# Allegro board CHIP_ALPHA_V_021.brd (continued)
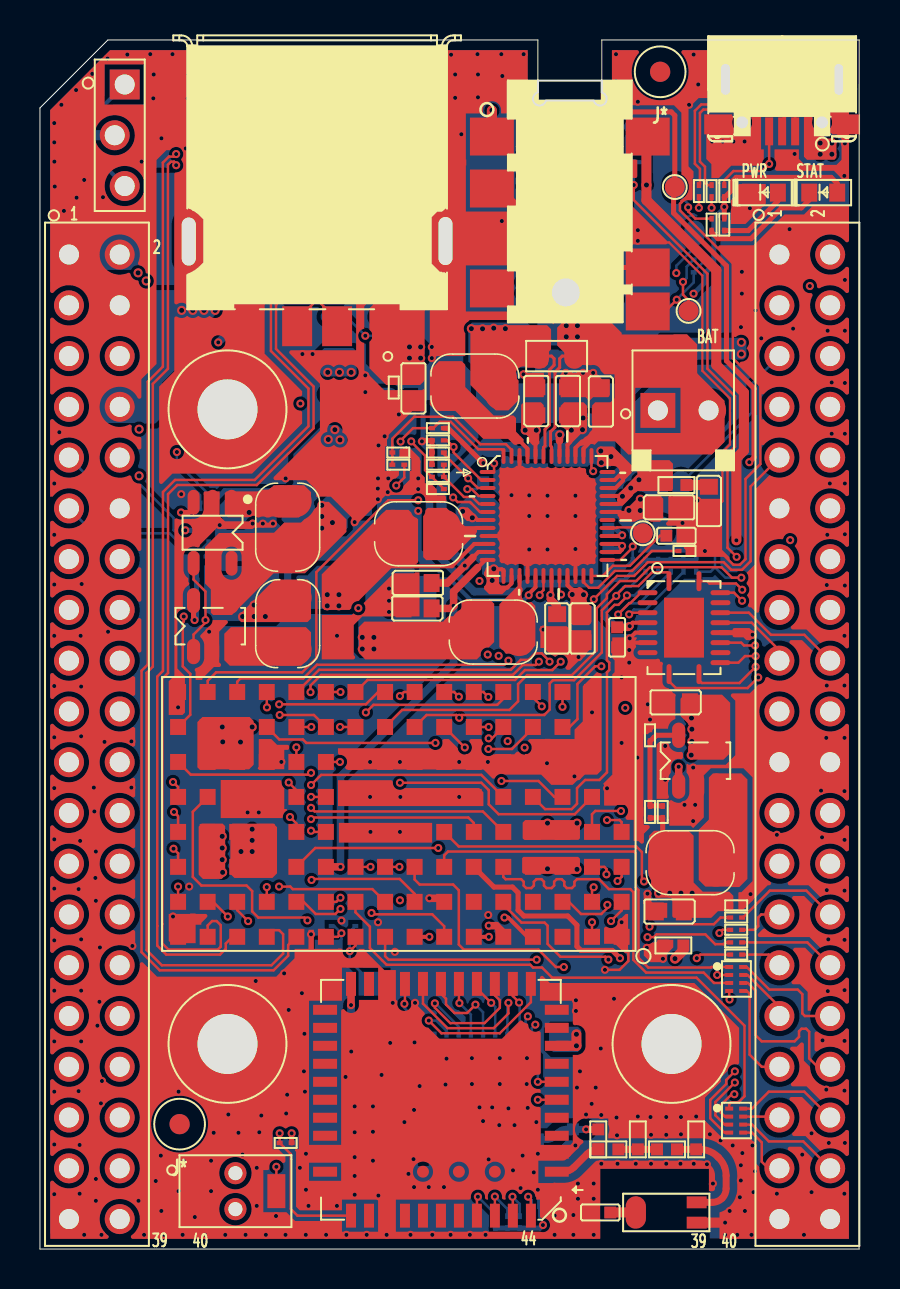
[diagram p0: board, top side]
## Copper pours and planes (outline as drawn; the poured copper is in the pictures) (continued)
GND on TOP (solid shape): 11.87,25.23 12.38,25.23 12.45,25.2 12.48,25.12 12.48,25.08 12.45,25.01 12.38,24.97 12.23,24.97 12.23,24 10.95,24 10.91,24.03 10.92,24.09 10.95,24.13 10.95,25.52 11.58,25.52
GND on TOP (solid shape): 17.56,23.46 17.64,23.42 17.66,23.35 17.86,23.01 18.25,23.06 21.98,23.06 22.2,22.85 22.2,22.16 14.92,22.16 14.92,23.22 14.91,23.22 14.91,23.46
GND on TOP (solid shape): 11.99,23.47 12.07,23.44 12.09,23.36 12.13,23.2 12.23,23.06 12.23,22.02 12.36,22.02 12.36,21.94 12.33,21.92 12.21,21.79 12.16,21.62 12.14,21.58 12.11,21.56 9.05,21.56 9.05,23.47
GND on TOP (solid shape): 31.7,15.09 31.46,14.85 31.35,14.67 31.33,14.47 31.31,14.39 31.23,14.35 30.56,14.35 30.22,14.68 30.22,15.16 30.26,15.23 30.35,15.26 30.51,15.26 30.65,15.34 30.84,15.34 30.98,15.48 31.7,15.48
GND on TOP (solid shape): 19,31.65 16.13,31.65 15.71,31.22 15.71,29.71 15.74,29.68 15.77,29.57 15.67,29.5 14.1,29.5 14.1,31.72 15.6,31.72 15.69,31.81 16.17,31.8 16.22,32.28 16.19,32.31 17.69,33.81 18.73,33.81 18.78,33.86 19,33.86
GND on TOP (solid shape): 29.44,14.9 29.38,14.8 29.27,14.82 29.23,14.85 29.17,14.88 28.78,15.27 28.24,15.27 28.24,16.02 28.29,16.11 28.39,16.11 28.74,16.09 28.94,16.37 28.94,16.39 29.32,16.77 29.44,16.77
GND on TOP (solid shape): 25.23,31.16 26.37,31.16 26.57,30.96 27.6,30.96 27.6,30.07 26.52,28.98 26.41,28.98 26.31,29.04 26.33,29.15 26.31,29.64 25.82,29.65 25.79,29.63 25.75,29.65 25.67,29.71 25.57,29.74 25.55,29.74 25.22,30.07 25.05,30.07 25.05,31.17 25.23,31.17
GND on TOP (solid shape): 34.7,56.6 34.7,56.59 34.65,56.37 34.7,56.14 35.36,55.91 35.62,56.56 35.63,56.65 35.71,56.7 36.09,56.7 36.09,55.02 36.23,55.02 36.23,54.53 36.17,54.44 36.14,54.33 36.14,54.31 36.03,54.2 34.6,54.2 33.99,53.59 33.61,53.59 33.61,54.28 33.35,54.54 33.35,56.7 34.7,56.7
GND on TOP (solid shape): 31.44,25.33 31.66,24.97 32.07,24.87 32.15,24.85 32.19,24.77 32.19,24.61 32.15,24.53 31.73,24.44 31.58,24.13 31.58,23.83 31.47,23.66 31.44,23.47 31.44,22.86 31.45,22.76 31.47,22.66 31.46,22.57 31.38,22.52 30.87,22.52 30.87,25.25 30.99,25.37 31.44,25.37
GND on TOP (solid shape): 9.31,31.47 9.4,31.41 9.38,31.3 8.97,30.89 8.97,29.36 9.03,29.29 9.06,29.18 8.96,29.12 8.71,29.12 8.13,28.54 8.13,28.47 7.79,28.47 7.79,28.89 7.78,28.9 7.75,29 7.82,29.07 8.11,29.26 8.22,29.59 8.22,30.2 8.18,30.41 8.06,30.59 8.02,30.66 8.05,30.73 8.55,31.23 8.56,31.25 8.61,31.33 8.64,31.43 8.64,31.47
GND on TOP (solid shape): 38.68,7.07 38.66,7.04 38.99,5.75 40.31,5.92 40.43,5.95 40.49,5.86 40.49,4.76 40.43,4.67 40.31,4.69 39.74,5.03 39.09,4.93 39.06,4.91 38.32,5.65 37.75,5.65 37.65,5.72 37.68,5.83 38.01,6.65 37.56,7.42 37.52,7.53 37.62,7.61 38.15,7.61
GND on TOP (solid shape): 38.06,10.31 38.17,10.33 38.24,10.24 38.24,9.43 38.55,9.12 38.55,9.1 39.21,8.17 40.31,8.46 40.43,8.49 40.49,8.4 40.49,7.3 40.43,7.21 40.31,7.23 39.74,7.57 39.09,7.47 39.06,7.45 38.37,8.14 37.69,8.14 37.59,8.21 37.63,8.32 38.02,9.14 37.59,9.94 37.55,10.05 37.65,10.12 37.88,10.12
GND on TOP (solid shape): 38.68,14.69 38.66,14.66 38.99,13.37 40.31,13.54 40.43,13.57 40.49,13.48 40.49,12.38 40.43,12.29 40.31,12.31 39.35,12.64 38.59,11.96 38.58,11.93 38.43,11.93 38.43,12.86 38.04,13.25 37.72,13.25 37.62,13.31 37.65,13.43 38.02,14.15 37.73,14.9 37.71,15.01 37.8,15.07 38.3,15.07
GND on TOP (solid shape): 38.68,17.23 38.66,17.2 38.99,15.91 40.31,16.08 40.43,16.11 40.49,16.02 40.49,14.92 40.43,14.83 40.31,14.85 39.74,15.19 39.09,15.09 39.06,15.07 38.52,15.61 36.03,15.61 35.93,15.67 35.96,15.78 36.18,16.01 36.25,16.04 36.32,16.01 37.75,16.06 37.68,17.49 37.65,17.6 37.75,17.67 38.25,17.67
GND on TOP (solid shape): outline of 171 points within 6.44,26.72 11.72,37.91
GND on TOP (solid shape): 27.89,28.88 27.97,28.83 28.07,28.8 28.1,28.79 28.11,28.75 28.11,23.96 27.89,23.74 27.18,23.74 26.67,23.22 25.6,23.22 25.08,23.74 23.26,23.74 23.25,23.74 22.99,23.76 22.79,23.59 22.71,23.54 22.62,23.57 22.2,23.99 15.38,23.99 15.29,24.05 15.34,24.53 15.02,24.73 14.95,24.76 14.92,24.83 14.92,25.06 19.56,25.06 19.97,25.02 20.14,25.4 20.17,25.48 20.24,25.52 20.46,25.52 20.91,25.07 20.91,25.06 21.42,24.77 21.52,25.34 21.5,25.46 21.59,25.52 22.1,25.52 22.11,25.48 22.14,25.4 22.18,25.33 22.2,25.29 22.18,25.26 22.19,24.77 22.68,24.75 23.74,24.75 23.84,24.86 23.92,24.89 23.99,24.85 24.53,24.85 24.46,25.39 24.43,25.42 24.45,25.46 24.5,25.52 25.28,25.52 25.28,25.53 25.55,25.53 25.55,25.52 26.76,25.52 26.76,25.99 27.17,26.4 27.17,28.16
GND on TOP (solid shape): outline of 202 points within 28.2,20.28 31.82,30.61
GND on TOP (solid shape): outline of 125 points within 22.89,34.17 27.88,39.19
GND on TOP (solid shape): outline of 640 points within 31.48,16.9 40.49,30.47
GND on TOP (solid shape): outline of 1186 points within 33.94,30.06 40.5,52.2
GND on TOP (solid shape): outline of 5863 points within 0.51,0.51 40.5,59.99
GND on BOTTOM (solid shape): 0.51,38.88 0.58,38.97 0.69,38.94 1.26,38.61 1.92,38.71 1.95,38.72 2.71,37.96 4.93,37.96 6.42,36.47 6.42,36.08 2.81,36.08 2.33,36.56 2.34,36.6 2.02,37.89 0.69,37.71 0.58,37.69 0.51,37.78
GND on BOTTOM (solid shape): outline of 13419 points within 0.51,0.51 40.5,59.99
GND on GND (solid shape): outline of 16346 points within 0.52,0.51 40.5,59.99
GND on IN1 (solid shape): 18.68,32.02 18.68,30.67 18.62,30.57 18.5,30.59 17.32,31.78 17.32,32.9 16.72,33.51 16.69,33.62 16.79,33.68 17.02,33.68
GND on IN1 (solid shape): 5.69,38.4 5.8,38.42 5.86,38.32 5.86,36.13 5.8,36.03 5.69,36.05 5.46,36.28 3.07,36.28 2.84,36.51 2.84,37.55 2.77,37.62 2.74,37.73 2.84,37.79 3.85,37.79 3.87,37.8 3.99,37.81 4.11,37.8 4.14,37.79 5.09,37.79
GND on IN1 (solid shape): 40.43,38.97 40.49,38.88 40.49,37.78 40.43,37.69 40.31,37.71 38.97,37.88 38.68,36.56 38.5,36.38 36.29,36.38 36.29,37.34 36.75,37.79 38.4,37.79 39.24,38.64 39.27,38.63 39.84,38.64 40.31,38.94
GND on IN1 (solid shape): 38.14,47.42 38.45,47.42 38.53,47.39 38.55,47.31 38.57,47.03 38.66,46.76 37.95,46.05 37.95,45.4 37.89,45.3 37.77,45.33 36.94,45.68 36.16,45.22 36.05,45.17 35.98,45.27 35.98,45.8 36.52,46.35 37.61,46.41 37.99,47.43 37.99,47.46 38.04,47.52
GND on IN1 (solid shape): 40.43,44.05 40.49,43.96 40.49,42.86 40.43,42.77 40.31,42.79 38.99,42.97 38.66,41.68 38.24,41.26 37.8,41.26 37.71,41.32 37.73,41.44 38.01,42.04 37.86,42.68 37.85,42.78 37.94,42.84 38.27,42.84 39.18,43.75 39.21,43.73 39.81,43.71 40.31,44.02
GND on IN1 (solid shape): 40.43,41.51 40.49,41.42 40.49,40.32 40.43,40.23 40.31,40.25 39.07,40.48 38.59,39.32 38.6,39.29 38.02,38.71 37.79,38.71 37.7,38.77 37.72,38.88 38.01,39.72 37.52,40.46 37.48,40.58 37.58,40.65 38.5,40.65 39.09,41.25 39.74,41.15 40.31,41.48
GND on IN1 (solid shape): 36.01,18.63 36.09,18.73 36.2,18.69 36.91,18.28 37.7,18.54 37.81,18.56 37.87,18.47 37.87,17.55 37.81,17.45 37.7,17.47 36.32,17.46 36.25,16.08 36.27,15.97 36.18,15.91 34.35,15.91 34.34,15.95 34.22,16.1 34.03,16.17 33.95,16.23 33.97,16.34 36.01,18.38
GND on IN1 (solid shape): outline of 338 points within 34.38,28.54 37.87,35.85
GND on IN1 (solid shape): outline of 5357 points within 0.51,0.51 40.49,36.44
GND on IN1 (solid shape): outline of 5275 points within 0.51,11.3 40.5,59.99
GND on IN2 (solid shape): 8.01,31.22 8.05,31.21 8.21,31.12 8.4,31.13 8.43,31.14 10.05,29.52 10.07,29.41 9.98,29.35 9.27,29.35 7.68,30.94 7.65,31.05 7.74,31.11 7.87,31.14 7.98,31.21
GND on IN2 (solid shape): 3.1,30.19 3.19,30.13 3.18,30.03 2.99,29.36 3.28,28.74 3.3,28.62 3.2,28.56 2.74,28.56 1.95,27.77 1.92,27.79 1.26,27.88 0.69,27.55 0.58,27.53 0.51,27.62 0.51,28.72 0.58,28.81 0.69,28.78 2.02,28.61 2.34,29.9 2.33,29.93 2.58,30.19
GND on IN2 (solid shape): 0.51,21.1 0.58,21.19 0.69,21.16 1.26,20.83 1.92,20.93 1.95,20.94 2.74,20.15 3.2,20.15 3.3,20.09 3.28,19.98 2.99,19.3 3.24,18.61 3.26,18.5 3.17,18.44 2.67,18.44 2.33,18.78 2.34,18.82 2.02,20.11 0.69,19.93 0.58,19.91 0.51,20
GND on IN2 (solid shape): 3.11,9.89 3.21,9.84 3.19,9.73 2.99,9.02 3.32,8.37 3.35,8.26 3.26,8.19 2.62,8.19 1.9,7.48 1.87,7.49 1.24,7.56 0.69,7.23 0.58,7.21 0.51,7.3 0.51,8.4 0.58,8.49 0.69,8.46 2.02,8.29 2.34,9.58 2.33,9.61 2.6,9.89
GND on IN2 (solid shape): 3.32,7.56 3.41,7.49 3.38,7.37 2.99,6.56 3.41,5.76 3.45,5.65 3.35,5.58 2.61,5.58 1.95,4.91 1.28,5.03 0.69,4.69 0.58,4.67 0.51,4.76 0.51,5.86 0.58,5.95 0.69,5.92 1.99,5.73 2.37,7 2.35,7.03 2.88,7.56
GND on IN2 (solid shape): 3.23,12.56 3.32,12.5 3.3,12.38 3.04,11.35 3.86,10.66 3.94,10.59 3.92,10.49 3.86,10.43 2.38,10.43 1.95,9.99 1.92,10.01 1.26,10.1 0.69,9.77 0.58,9.75 0.51,9.84 0.51,10.94 0.58,11.03 0.69,11 2.02,10.83 2.34,12.12 2.33,12.15 2.73,12.56
GND on IN2 (solid shape): 0.51,18.56 0.58,18.65 0.69,18.62 1.26,18.29 1.92,18.39 1.95,18.4 2.45,17.91 5.34,17.91 5.44,17.84 5.41,17.73 4.98,17.29 4.89,17.26 4.82,17.31 3.38,17.53 3.23,16.08 3.25,15.97 3.16,15.91 2.66,15.91 2.33,16.24 2.34,16.28 2.02,17.57 0.69,17.39 0.58,17.37 0.51,17.46
GND on IN2 (solid shape): 3.27,32.92 3.37,32.85 3.34,32.74 3.44,31.14 4.95,31.68 4.96,31.71 5.07,31.71 5.89,30.9 5.91,30.78 5.82,30.72 2.36,30.72 1.95,30.31 1.92,30.33 1.26,30.42 0.69,30.09 0.58,30.07 0.51,30.16 0.51,31.26 0.58,31.35 0.69,31.32 2.02,31.15 2.34,32.44 2.33,32.47 2.77,32.92
GND on IN2 (solid shape): 27.86,23.87 27.92,23.96 28.03,23.94 34.64,17.33 34.66,17.22 34.57,17.16 34.42,17.16 34.11,16.84 34.11,16.43 34.12,16.37 34.14,16.31 34.12,16.21 34.03,16.17 33.83,16.12 33.69,15.96 33.61,15.91 33.52,15.94 33.35,16.11 33.35,18.09 32.78,18.66 30.47,18.66 30.35,18.73 30.21,18.74 30.13,18.77 30.1,18.85 30.1,21.53 29.44,22.18 29.32,22.18 28.88,22.21 28.75,21.8 28.75,21.79 28.75,21.73 28.62,21.73 28.61,21.74 28.04,21.56 28.43,21.11 28.51,21.09 28.55,21.01 28.55,19.2 28.51,19.12 28.42,19.1 28.2,19.07 28.04,18.9 27.96,18.85 27.87,18.88 27.86,18.9
GND on IN2 (solid shape): 28.81,36.11 28.81,35.84 28.8,35.84 28.79,35.65 28.87,35.48 28.88,35.45 28.87,35.41 28.88,34.93 29.36,34.9 29.39,34.91 29.43,34.9 29.55,34.82 29.69,34.8 29.77,34.77 29.8,34.7 29.8,33.5 29.36,33.06 29.34,33.06 29.23,33.02 29.14,32.96 29.1,32.95 29.07,32.96 28.68,33 28.49,32.66 28.46,32.58 28.39,32.55 28.08,32.55 28.07,32.59 27.9,32.82 27.62,32.85 27.59,32.86 27.56,32.88 27.3,33.11 26.96,33.03 26.93,33.02 26.9,33.03 26.63,33.13 26.38,33.02 26.34,33.01 26.31,33.02 26.15,33.1 25.98,33.09 25.95,33.08 22.84,36.18 22.84,38.52 26.4,38.52
GND on IN2 (solid shape): 7.9,19.46 8.01,19.48 8.07,19.39 8.07,17.87 4.97,14.77 4.89,14.74 4.81,14.78 3.44,15.04 3.13,13.68 3.13,13.58 3.05,13.52 2.5,13.52 2.33,13.7 2.34,13.74 2.02,15.03 0.69,14.85 0.58,14.83 0.51,14.92 0.51,16.02 0.58,16.11 0.69,16.08 1.26,15.75 1.92,15.85 1.95,15.86 2.43,15.38 4.53,15.38 6.94,17.78 6.95,17.78 7.26,18.07 7.08,18.45 7.02,18.53 7.05,18.61
GND on IN2 (solid shape): outline of 153 points within 22.22,14.17 24.28,25.1
GND on IN2 (solid shape): 40.43,31.35 40.49,31.26 40.49,30.16 40.43,30.07 40.31,30.09 38.55,29.44 40.31,28.78 40.43,28.81 40.49,28.72 40.49,27.62 40.43,27.53 40.31,27.55 39.74,27.89 39.09,27.79 39.06,27.77 38.49,28.33 37.48,28.33 37.38,28.41 37.44,28.53 38.01,29.37 37.56,30.28 37.52,30.39 37.62,30.47 38.42,30.47 39.06,31.1 39.09,31.09 39.74,30.99 40.31,31.32
GND on IN2 (solid shape): outline of 212 points within 4.68,22.44 11.1,27.77
GND on IN2 (solid shape): 29.87,16.61 31.02,16.61 32.69,14.93 32.71,14.89 32.69,14.85 32.64,14.82 32.54,14.82 32.32,14.6 32.22,14.57 32.15,14.64 31.52,14.8 31.67,14.16 31.74,14.09 31.71,14 31.33,13.61 27.95,13.61 27.85,13.68 27.87,13.79 28.01,13.93 28.01,14.17 28.08,14.27 28.19,14.24 28.45,14.12 28.71,14.24 28.77,14.27 28.84,14.25 29.39,14.59 28.77,14.8 28.71,14.76 28.41,14.83 28.19,14.72 28.08,14.7 28.01,14.79 28.01,14.95 28.13,15.07 30.19,15.07 30.37,15.25 30.4,15.25 30.72,15.42 30.72,15.78 30.71,15.82 30.73,15.85 30.82,16.32 30.36,16.45 30.35,16.45 30.03,16.45 29.74,16.16 29.02,16.16 28.93,16.2 28.92,16.3 28.88,16.6 28.62,16.76 28.61,16.77 28.51,16.86 28.56,16.9 28.56,16.9 28.69,17.01 28.75,17.17 28.76,17.21 29.27,17.21
GND on IN2 (solid shape): 13.11,22.15 13.18,22.12 13.21,22.05 13.23,21.95 13.28,21.86 13.29,21.85 13.29,21.78 13.25,21.78 13.04,21.58 12.94,21.55 12.87,21.64 12.38,21.94 12.25,21.38 12.25,21.14 11.13,20.02 11.04,20 10.97,20.05 10.94,20.1 10.91,20.13 10.9,20.17 11,20.45 10.9,20.73 10.91,20.76 10.62,21.39 10.33,20.76 10.34,20.73 10.33,20.69 10.25,20.55 10.25,20.38 10.22,20.29 10.13,20.26 9.69,19.79 10.31,19.6 10.34,19.61 10.38,19.6 10.41,19.57 10.46,19.54 10.51,19.47 10.49,19.38 9.03,17.92 8.92,17.9 8.86,18 8.86,18.4 8.9,18.48 9,18.49 9.46,18.63 9.42,19.11 9.4,19.17 9.5,19.49 9.4,19.74 9.39,19.77 9.5,20.07 9.39,20.36 9.4,20.39 9.5,20.68 9.36,20.95 9.33,21.02 9.36,21.1 10.41,22.15
GND on IN2 (solid shape): outline of 292 points within 0.51,0.51 13.95,18.19
GND on IN2 (solid shape): outline of 84 points within 20.95,27.03 30.86,36.54
GND on IN2 (solid shape): 12.39,26.74 12.5,26.76 12.57,26.67 12.57,25.34 12.56,25.32 12.49,25.01 12.7,24.77 12.76,24.7 12.73,24.61 12.32,24.19 10.26,24.19 7.31,21.24 7.31,20.34 7.15,20.19 7.07,20.16 6.99,20.21 6.88,20.33 6.72,20.38 6.71,20.39 6.4,20.69 2.96,20.69 2.33,21.32 2.34,21.36 2.02,22.65 0.69,22.47 0.58,22.45 0.51,22.54 0.51,23.64 0.58,23.73 0.69,23.7 2.02,23.53 2.34,24.82 2.33,24.85 2.99,25.52 2.99,26.26 3.06,26.35 3.17,26.32 3.76,25.92 4.46,26.01 4.49,26.02 5.71,24.8 5.74,24.69 5.64,24.63 4.96,24.63 4.95,24.66 2.99,24.36 4.95,24.06 4.96,24.09 5.56,24.09 6.3,23.35 6.31,23.33 6.43,23.1 6.68,23.01 6.75,22.98 6.79,22.91 6.79,22.32 6.69,22.23 6.67,22.22 6.44,22.1 6.35,21.85 6.33,21.77 6.25,21.74 5.1,21.74 5.03,21.77 5,21.84 3.04,22.13 4.79,21.21 6.98,21.21 11.63,25.85 11.63,26.35 11.69,26.44 11.79,26.43 12.14,26.4 12.35,26.68 12.35,26.7
GND on IN2 (solid shape): outline of 1175 points within 0.51,29.87 22.95,41.52
GND on IN2 (solid shape): outline of 2444 points within 4.55,0.51 40.49,27.8
GND on IN2 (solid shape): outline of 3689 points within 0.51,19.9 40.5,59.99
GND on VCC (solid shape): outline of 8342 points within 0.51,0.51 40.5,59.99
VBAT-EXT on TOP (solid shape): 25.58,46.02 25.58,45.01 25.43,44.86 25.43,44.27 25.25,44.09 24.42,44.09 23.9,44.02 23.92,43.49 23.96,43.46 23.96,42.47 23.83,42.35 23.83,42.34 23.45,41.96 22.82,41.96 21.54,43.23 21.54,44.35 21.54,46.15 21.62,46.23 25.38,46.23
VBAT-EXT on BOTTOM (solid shape): 24.62,46.13 24.62,44.25 24.49,44.12 24.2,44.12 24.16,44.12 22.93,44.12 22.83,44.14 22.74,44.15 22.48,44.15 22.39,44.14 22.29,44.12 21.72,44.12 21.44,44.4 21.44,46.18 21.62,46.35 24.39,46.35
VCC-3V3 on TOP (solid shape): 13.57,33.33 13.57,31.55 13.39,31.37 10.07,31.37 9.94,31.5 9.94,31.7 11.75,33.5 13.39,33.5
VCC-3V3 on TOP (solid shape): 9.27,21.16 9.27,20.27 9.28,20.27 9.28,19.72 9.27,19.72 9.27,18.69 9.1,18.52 8.16,18.52 7.94,18.73 7.94,21.13 8.09,21.29 9.14,21.29
VCC-3V3 on BOTTOM (solid shape): 8.77,34.21 8.77,33.81 8.85,33.73 8.89,33.73 8.89,33.73 9.53,33.73 9.59,33.78 9.59,34.06 9.69,34.16 11.92,34.16 11.97,34.11 11.97,31.67 11.71,31.42 8.69,31.42 8.66,31.43 8.64,31.47 8.54,31.71 8.24,31.86 8.21,31.93 8.21,34.19 8.32,34.29 8.7,34.29
VCC-3V3 on IN1 (solid shape): outline of 314 points within 0.54,38.05 5.59,46.33
VCC-3V3 on VCC (solid shape): outline of 1182 points within 0.52,17.25 13.59,45.49
VCC-5V on BOTTOM (solid shape): 15.32,48.74 15.32,47.7 15.02,47.4 12.4,47.4 12.22,47.57 12.22,48.56 12.4,48.74 14.03,48.74 14.18,48.89 15.17,48.89
VCC-5V on BOTTOM (solid shape): 15.85,44.91 15.85,43.79 15.73,43.66 14.18,43.66 14.03,43.81 14.03,44.62 14.08,44.76 14.08,44.91 14.08,44.93 14.23,45.08 15.68,45.08
VCC-5V on BOTTOM (solid shape): 15.37,40.77 15.37,39.34 15.22,39.19 14.3,39.19 14.18,39.07 14.18,37.85 13.72,37.39 13.72,36.45 13.52,36.25 12.32,36.25 12.09,36.47 12.09,37.72 12.5,38.13 12.68,38.3 12.68,39.78 14.13,41.22 14.91,41.22
VCC-5V on IN1 (solid shape): outline of 468 points within 23.78,48.97 40.39,56.31
VCC-5V on IN2 (solid shape): outline of 198 points within 0.75,45.59 5.67,51.36
VCC-5V on VCC (solid shape): outline of 1152 points within 0.51,40.11 24.44,55.35
VCC-WIFI on BOTTOM (solid shape): 27.09,10.96 27.09,10.03 26.92,9.86 25.68,9.86 25.48,10.06 25.48,10.95 25.66,11.13 26.93,11.13
VCC-WIFI on BOTTOM (solid shape): 35.36,45.44 35.36,44.65 35.21,44.5 31.53,44.5 29.11,42.09 26.6,42.09 25.84,41.33 24.98,41.33 24.98,41.33 24.85,41.35 24.72,41.33 24.71,41.33 24.43,41.33 24.42,41.33 24.29,41.35 24.16,41.33 24.15,41.33 22.08,41.33 21.82,41.58 21.82,43.69 22,43.87 23.09,43.87 23.65,43.31 28.83,43.31 31.12,45.59 35.21,45.59
ACIN-5V on TOP (solid shape): 31.68,39.29 31.68,38.02 31.58,37.92 29.9,37.92 29.84,37.86 29.83,37.86 29.73,37.79 29.66,37.69 29.66,37.68 29.16,37.19 29.03,37.19 28.96,37.21 28.93,37.28 28.92,37.35 28.89,37.4 28.88,37.42 28.88,37.54 28.89,37.55 28.93,37.64 28.93,37.73 28.92,37.76 29.41,38.24 29.43,38.27 29.46,38.32 29.9,38.76 29.9,39.12 30.26,39.47 31.51,39.47
ACIN-5V on BOTTOM (solid shape): outline of 131 points within 2.64,48.24 10.02,53.85
ACIN-5V on IN2 (solid shape): outline of 524 points within 8.72,46.86 24.86,52.65
ACIN-5V on VCC (solid shape): outline of 571 points within 23.37,37.19 35.44,48.97
BAT on TOP (solid shape): outline of 88 points within 25.89,39.75 34.27,46.41
BAT on BOTTOM (solid shape): 26,46.96 26.32,46.91 26.64,46.96 27.79,46.96 28.3,46.46 28.3,45.44 28.07,45.21 25.07,45.21 24.9,45.39 24.9,46.66 25.2,46.96
BAT on BOTTOM (solid shape): outline of 206 points within 2.44,41.3 8.95,48.69
BAT on IN2 (solid shape): outline of 410 points within 6.84,42.9 27.28,47.73
COREVDD on TOP (solid shape): 11.87,21.11 11.87,18.8 11.64,18.57 9.73,18.57 9.53,18.77 9.53,21.18 9.63,21.29 11.69,21.29
COREVDD on TOP (solid shape): 22.51,32.51 22.74,32.28 22.74,30.37 22.46,30.1 22.44,30.1 22.16,30 22.06,29.72 22.06,29.69 21.87,29.5 16.28,29.5 15.96,29.82 15.96,31.11 16.24,31.39 20.17,31.39 20.18,31.4 20.21,31.4 20.21,31.43 20.44,31.66 20.74,31.66 20.98,31.9 21.07,32.03 21.1,32.18 21.1,32.32 21.29,32.51 22.38,32.51
COREVDD on BOTTOM (solid shape): outline of 113 points within 15.94,29.82 19.84,34.49
COREVDD on VCC (solid shape): outline of 1074 points within 9.66,17.25 17.66,31.09
CPUVDD on TOP (solid shape): 10.7,26.42 10.7,24.23 10.47,24 7.98,24 7.88,24.1 7.88,26.37 8.13,26.62 10.49,26.62
CPUVDD on TOP (solid shape): 18.59,36.85 18.59,36.83 18.68,36.68 18.83,36.59 18.85,36.59 18.93,36.51 18.93,34.51 18.93,34.37 18.62,34.06 17.58,34.06 15.94,32.42 15.92,32.42 15.68,32.32 15.58,32.08 15.58,32.06 15.5,31.98 14.23,31.98 14.1,32.11 14.1,33.76 17.33,36.98 18.45,36.98
CPUVDD on BOTTOM (solid shape): 16.01,34.04 16.01,32.52 15.98,32.45 15.91,32.42 15.68,32.31 15.58,32.08 15.58,32.03 13.03,32.03 12.83,32.23 12.83,33.63 12.91,33.71 13.39,33.71 13.87,34.19 15.85,34.19
CPUVDD on VCC (solid shape): outline of 187 points within 8.89,24.99 16.64,33.5
DRAM-VCC on TOP (solid shape): 27.03,21.37 27.03,20.55 26.95,20.47 24.24,20.47 24.16,20.55 24.16,21.34 24.29,21.46 26.93,21.46
DRAM-VCC on TOP (solid shape): 27.03,19.53 27.03,18.85 26.95,18.77 24.21,18.77 24.13,18.85 24.13,19.56 24.2,19.62 26.94,19.62
DRAM-VCC on TOP (solid shape): 32.72,20.68 32.72,18.34 33.18,17.88 34.51,17.88 34.71,17.68 34.71,16.99 34.61,16.9 34.55,16.9 33.93,16.9 33.6,16.57 31.72,16.57 31.65,16.64 31.65,17.5 31.58,17.58 30.8,17.58 30.8,17.78 30.75,17.98 30.61,18.12 30.56,18.18 30.56,18.25 30.58,18.46 30.48,18.64 30.48,20.68 30.74,20.93 32.47,20.93
DRAM-VCC on VCC (solid shape): outline of 312 points within 25.02,17.37 32.85,22.61
IPSOUT on TOP (solid shape): 25.21,42.23 25.21,41.34 25,41.12 25,40.31 24.9,40.21 24.67,40.21 24.47,40.41 24.47,40.62 24.08,41 24.08,41.69 24.08,42.24 24.21,42.37 25.07,42.37
IPSOUT on TOP (solid shape): 27.39,42.19 27.39,41.1 26.5,40.21 26.36,40.21 26.36,40.27 26.39,40.36 26.4,40.44 26.4,40.64 26.4,40.65 26.35,40.95 26.1,41.13 26.06,41.13 26.06,42.18 26.24,42.37 27.21,42.37
IPSOUT on TOP (solid shape): 34.55,27.33 34.55,24.82 34.22,24.49 32.57,24.49 32.44,24.61 32.44,25.15 32.49,25.27 32.5,25.4 32.5,26.01 32.49,26.13 32.45,26.25 32.44,26.26 32.44,26.29 32.35,26.39 32.3,26.43 32.06,26.67 32.06,27.53 32.26,27.74 34.14,27.74
IPSOUT on TOP (solid shape): 29.62,39.22 29.62,38.84 29.24,38.46 29.15,38.46 28.93,38.67 28.96,38.71 28.97,39.02 28.7,39.18 28.1,39.18 28.06,39.18 28.01,39.17 27.98,39.16 27.88,39.25 27.89,39.28 27.9,39.33 27.91,39.38 27.91,39.98 27.91,40.02 28.05,40.16 28.68,40.16
IPSOUT on TOP (solid shape): 27.1,33.09 27.37,32.82 27.38,32.82 27.46,32.75 27.37,32.45 27.56,32.19 27.59,32.18 27.59,31.32 27.49,31.22 26.67,31.22 26.55,31.34 26.55,33.02 26.65,33.12 26.68,33.1 26.82,33.07 26.96,33.12 26.97,33.12 27.04,33.12
IPSOUT on TOP (solid shape): 22.99,34.06 22.98,33.98 22.98,33.38 23.09,33.18 23.31,33.18 23.35,33.2 23.45,33.1 23.45,33.07 23.14,32.77 22.48,32.77 22.23,33.02 22.23,33.15 22.36,33.43 22.23,33.7 22.23,33.86 22.28,33.96 22.31,34.06 22.42,34.17 22.44,34.17 22.7,34.17 22.75,34.18 22.8,34.19 22.86,34.19
IPSOUT on TOP (solid shape): outline of 85 points within 8.26,31.72 15.35,37.39
IPSOUT on BOTTOM (solid shape): 23.96,36.35 23.96,33.6 23.7,33.35 22.46,33.35 22.39,33.38 22.36,33.45 22.3,33.62 22.16,33.75 22.13,33.76 22.13,34.14 20.81,35.46 20.81,37.06 21.42,37.67 21.48,37.68 21.52,37.69 22.61,37.69
IPSOUT on BOTTOM (solid shape): 16.62,37.74 16.62,37.71 16.61,37.7 16.56,37.51 16.62,37.32 16.62,36.83 16.49,36.7 15.89,36.7 15.88,36.71 15.65,36.71 15.47,36.59 15.4,36.52 15.4,36.09 15.22,35.92 14.13,35.92 13.98,36.07 13.98,37.29 14.43,37.74 14.43,37.82 14.46,37.85 16.51,37.85
IPSOUT on BOTTOM (solid shape): 28.81,41.55 28.81,39.4 28.55,39.14 27.97,39.14 27.69,39.28 27.41,39.14 25.81,39.14 25.68,39.27 25.68,40.11 25.76,40.18 25.76,40.25 25.79,40.28 26.02,40.28 26.29,40.38 26.46,40.62 26.46,40.63 26.47,40.64 26.47,40.74 26.47,40.78 26.47,41.55 26.73,41.81 28.55,41.81
IPSOUT on VCC (solid shape): outline of 1751 points within 13.85,24.54 33.96,42.14
USBVBUS on TOP (solid shape): 38.57,56.66 38.65,56.62 38.67,56.53 38.7,56.14 39,55.89 39.01,55.89 39.33,55.57 39.74,55.57 39.87,55.44 39.87,54.6 39.76,54.5 38.39,54.5 38.24,54.65 38.24,56.61 38.29,56.66
USBVBUS on TOP (solid shape): 31.2,37.54 31.2,36.55 31.03,36.39 30.59,36.39 30.18,36.52 29.77,36.39 29.03,36.39 29.01,36.42 28.99,36.58 28.92,36.69 28.91,36.7 28.91,36.78 28.93,36.88 28.99,36.93 29.27,36.93 30.01,37.67 31.07,37.67
USBVBUS on BOTTOM (solid shape): 16.92,50.5 16.92,50.37 16.97,50.32 18.06,50.32 18.27,50.11 18.27,48.46 17.99,48.18 16.41,48.18 16.11,48.49 16.11,50.47 16.24,50.6 16.82,50.6
USBVBUS on IN1 (solid shape): outline of 938 points within 16.01,36.45 32.52,50.19
USBVBUS on VCC (solid shape): outline of 441 points within 28.07,46.2 39.88,55.6
N18486828 on TOP (solid shape): 19.26,47.09 19.26,45.27 19.25,45.26 19.23,45.14 19.25,45.01 19.26,45 19.26,44.76 19.21,44.58 19.26,44.39 19.26,44.1 19.26,44.1 19.26,43.46 19.03,43.23 17.33,43.23 16.49,44.07 16.49,45.4 16.64,45.69 16.49,45.99 16.49,47.07 16.69,47.27 19.08,47.27
N18486828 on BOTTOM (solid shape): 19.23,45.21 19.23,44.71 19.23,44.7 19.21,44.59 19.22,44.48 19.23,44.45 19.05,44.27 16.69,44.27 16.57,44.4 16.57,45.21 16.72,45.36 19.08,45.36
N20314568 on TOP (solid shape): 24.16,33.05 24.15,32.89 24.19,32.49 24.57,32.37 24.59,32.38 24.79,32.18 24.79,30.2 24.34,29.74 23.95,29.74 23.95,29.74 23.63,29.74 23.5,29.79 23.37,29.78 23.34,29.78 23.28,29.84 23.27,29.85 23.21,29.93 23.12,30 23.12,30 22.99,30.12 22.99,32.26 23.25,32.51 23.25,32.51 23.7,32.97 23.7,32.97 23.88,33.15 24.06,33.15
N20314637 on TOP (solid shape): 21.29,44.25 21.29,43.13 22.71,41.71 23.7,41.71 23.83,41.58 23.83,40.89 23.98,40.74 24.02,40.7 24.06,40.66 24.21,40.51 24.21,40.31 24.15,40.25 24.12,40.26 24.02,40.28 23.91,40.27 23.84,40.23 23.77,40.23 23.71,40.26 23.44,40.53 22.19,40.53 20.79,41.94 19.82,41.94 19.51,42.24 19.51,43.97 19.97,44.42 21.11,44.42
N20315137 on TOP (solid shape): 21.26,36.17 21.77,36.17 21.87,36.07 21.87,35.87 21.82,35.78 21.8,35.67 21.79,35.62 21.76,35.58 21.61,35.58 20.49,34.47 19.33,34.47 19.18,34.62 19.18,36.68 19.26,36.8 19.29,36.94 19.29,36.96 19.41,37.08 20.35,37.08
N21788878 on TOP (solid shape): 12.3,38.2 12.39,38.21 13.23,38.21 13.57,37.87 13.57,37.21 12.96,36.6 12.12,36.6 12.12,36.6 11.85,36.6 11.67,36.65 11.49,36.61 11.48,36.6 11.34,36.6 11.33,36.61 11.16,36.65 10.98,36.61 10.97,36.6 10.9,36.6 10.88,36.61 10.65,36.69 10.41,36.61 9.41,36.61 9.25,36.78 9.25,37.82 9.34,37.91 10.99,37.91 11.08,38 11.49,38 11.7,38.21 12.2,38.21
N21788878 on BOTTOM (solid shape): 10.75,37.52 10.75,36.86 10.52,36.63 10.51,36.63 10.4,36.55 10.32,36.43 10.31,36.42 10.14,36.25 9.45,36.25 9.31,36.39 9.31,36.4 9.25,36.47 9.17,36.53 9.17,36.53 9.02,36.68 9.02,37.25 9.37,37.6 10.66,37.6
N21789469 on TOP (solid shape): 13.57,30.86 13.57,29.68 13.08,29.18 9.5,29.18 9.22,29.46 9.22,30.78 9.55,31.11 13.31,31.11
N21789999 on TOP (solid shape): 35.41,23.5 35.41,18.52 35.01,18.11 34.63,18.11 34.61,18.13 33.31,18.13 32.97,18.47 32.97,20.98 33.48,21.49 33.48,23.6 33.68,23.8 35.11,23.8
GND on TOP (solid shape): 30.22,17.41 30.29,17.5 30.4,17.48 30.56,17.32 31.4,17.32 31.4,16.57 30.5,16.57 30.4,16.47 30.37,16.45 30.27,16.46 30.22,16.55
GND on TOP (solid shape): 40.43,11.03 40.49,10.94 40.49,9.84 40.43,9.75 40.31,9.77 39.65,10.12 38.93,9.91 38.83,9.9 38.77,9.99 38.77,10.79 38.83,10.88 38.93,10.87 39.65,10.66 40.31,11
GND on IN1 (solid shape): 0.51,38.88 0.58,38.97 0.69,38.94 0.9,38.76 1.15,38.64 1.19,38.63 1.19,38.45 1.4,38.23 1.43,38.12 1.34,38.06 0.98,37.95 0.69,37.71 0.58,37.69 0.51,37.78
GND on IN1 (solid shape): 40.43,21.19 40.49,21.1 40.49,20 40.43,19.91 40.31,19.93 39.58,20.28 38.83,19.98 38.72,19.95 38.66,20.05 38.66,20.54 39.06,20.94 39.09,20.93 39.74,20.83 40.31,21.16
GND on IN1 (solid shape): 40.43,46.59 40.49,46.5 40.49,45.4 40.43,45.31 40.31,45.33 39.52,45.68 38.75,45.28 38.63,45.24 38.56,45.34 38.56,45.8 39.09,46.33 39.74,46.23 40.31,46.56
GND on IN1 (solid shape): 36.01,26.25 36.09,26.35 36.2,26.31 36.91,25.9 37.7,26.16 37.81,26.18 37.87,26.09 37.87,22.63 37.81,22.53 37.7,22.55 36.91,22.82 36.2,22.41 36.09,22.37 36.01,22.47
GND on IN1 (solid shape): 36.01,21.17 36.09,21.27 36.2,21.23 36.91,20.82 37.7,21.08 37.81,21.1 37.87,21.01 37.87,20.09 37.81,19.99 37.7,20.01 36.91,20.28 36.2,19.87 36.09,19.83 36.01,19.93
GND on IN1 (solid shape): 40.43,18.65 40.49,18.56 40.49,17.46 40.43,17.37 40.31,17.39 39.58,17.74 38.83,17.44 38.72,17.41 38.66,17.51 38.66,18.51 38.72,18.6 38.83,18.58 39.58,18.27 40.31,18.62
GND on IN1 (solid shape): 40.43,36.43 40.49,36.34 40.49,35.24 40.43,35.15 40.31,35.17 38.55,34.52 40.31,33.86 40.43,33.89 40.49,33.8 40.49,32.7 40.43,32.61 40.31,32.63 38.55,31.98 40.31,31.32 40.43,31.35 40.49,31.26 40.49,30.16 40.43,30.07 40.31,30.09 38.55,29.44 40.31,28.78 40.43,28.81 40.49,28.72 40.49,27.62 40.43,27.53 40.31,27.55 38.55,26.9 40.31,26.24 40.43,26.27 40.49,26.18 40.49,22.54 40.43,22.45 40.31,22.47 38.97,22.64 38.68,21.32 38.58,21.22 38.46,21.2 38.4,21.29 38.4,35 37.91,35.49 37.91,35.51 37.88,35.6 37.83,35.69 37.82,35.79 37.91,35.85 38.72,35.85 39.06,36.19 39.72,36.07 40.31,36.4
GND on IN2 (solid shape): 40.43,44.05 40.49,43.96 40.49,42.86 40.43,42.77 40.31,42.79 39.95,43.06 39.51,43.14 39.49,43.14 38.84,43.79 38.84,43.91 38.91,43.91 38.92,43.89 39.64,43.68 40.31,44.02
GND on IN2 (solid shape): 0.51,33.8 0.58,33.89 0.69,33.86 1.26,33.53 1.92,33.63 1.95,33.64 2.34,33.25 1.95,32.85 1.92,32.87 1.26,32.96 0.69,32.63 0.58,32.61 0.51,32.7
GND on IN2 (solid shape): 19.7,51.29 20.3,51.89 20.9,51.29 20.9,49.59 20.3,48.99 19.7,49.59
GND on IN2 (solid shape): 0.51,13.48 0.58,13.57 0.69,13.54 1.26,13.21 1.92,13.31 1.95,13.32 2.28,12.99 2.33,12.96 2.32,12.9 1.95,12.53 1.92,12.55 1.26,12.64 0.69,12.31 0.58,12.29 0.51,12.38
GND on IN2 (solid shape): 2.38,26.35 2.46,26.26 2.46,25.74 1.95,25.23 1.92,25.25 1.26,25.34 0.69,25.01 0.58,24.99 0.51,25.08 0.51,26.18 0.58,26.27 0.69,26.24 1.5,25.9 2.27,26.32
GND on IN2 (solid shape): 40.43,46.59 40.49,46.5 40.49,45.4 40.43,45.31 40.31,45.33 39.69,45.67 39,45.52 38.9,45.51 38.84,45.6 38.84,46.3 38.9,46.38 39,46.38 39.69,46.22 40.31,46.56
GND on IN2 (solid shape): 40.43,33.89 40.49,33.8 40.49,32.7 40.43,32.61 40.31,32.63 38.99,32.81 38.66,31.52 38.68,31.48 38.2,31 37.69,31 37.59,31.07 37.63,31.18 38.01,32.08 37.46,32.88 37.4,32.99 37.5,33.07 38.48,33.07 39.06,33.65 39.72,33.53 40.31,33.86
GND on VCC (solid shape): 40.43,38.98 40.49,38.88 40.49,37.57 40.42,37.57 40.4,37.6 39.78,38.04 39.02,37.91 38.92,37.91 38.87,38 38.87,38.66 38.92,38.75 39.02,38.75 39.71,38.61 40.32,38.95
GND on VCC (solid shape): 40.43,13.57 40.49,13.48 40.49,12.38 40.43,12.28 40.31,12.31 39.7,12.65 39.02,12.51 38.92,12.51 38.87,12.6 38.87,13.26 38.92,13.35 39.02,13.35 39.7,13.21 40.31,13.54
GND on VCC (solid shape): 40.43,11.03 40.49,10.94 40.49,9.84 40.43,9.74 40.31,9.77 39.7,10.11 39.02,9.97 38.92,9.97 38.87,10.06 38.87,10.72 38.92,10.81 39.02,10.81 39.7,10.67 40.31,11
GND on VCC (solid shape): 40.43,16.11 40.49,16.02 40.49,14.92 40.43,14.82 40.31,14.85 39.7,15.19 39.02,15.05 38.92,15.05 38.87,15.14 38.87,15.8 38.92,15.89 39.02,15.89 39.7,15.75 40.31,16.08
GND on VCC (solid shape): 40.43,18.65 40.49,18.56 40.49,17.46 40.43,17.36 40.31,17.39 39.71,17.73 39.02,17.59 38.92,17.59 38.87,17.68 38.87,18.34 38.92,18.43 39.02,18.43 39.71,18.29 40.31,18.62
GND on VCC (solid shape): 40.43,28.81 40.49,28.72 40.49,27.62 40.43,27.52 40.32,27.55 39.71,27.89 39.02,27.75 38.92,27.75 38.87,27.84 38.87,28.5 38.92,28.59 39.02,28.59 39.71,28.45 40.32,28.79
GND on VCC (solid shape): 40.43,26.27 40.49,26.18 40.49,22.54 40.43,22.44 40.31,22.47 39.71,22.81 39.02,22.67 38.92,22.67 38.87,22.76 38.87,25.96 38.92,26.05 39.02,26.05 39.71,25.91 40.32,26.24
GND on VCC (solid shape): 40.43,31.35 40.49,31.26 40.49,30.16 40.43,30.06 40.32,30.09 39.71,30.43 39.02,30.29 38.92,30.29 38.87,30.38 38.87,31.04 38.92,31.13 39.02,31.13 39.71,30.99 40.32,31.33
GND on VCC (solid shape): 40.43,33.89 40.49,33.8 40.49,32.7 40.43,32.6 40.32,32.63 39.71,32.97 39.02,32.83 38.92,32.83 38.87,32.92 38.87,33.58 38.92,33.67 39.02,33.67 39.71,33.53 40.32,33.87
GND on VCC (solid shape): 40.43,36.44 40.49,36.34 40.49,35.24 40.43,35.14 40.32,35.17 39.71,35.51 39.02,35.37 38.92,35.37 38.87,35.46 38.87,36.12 38.92,36.21 39.02,36.21 39.71,36.07 40.32,36.41
GND on VCC (solid shape): 40.43,21.19 40.49,21.1 40.49,20 40.43,19.9 40.31,19.93 39.71,20.27 39.02,20.13 38.92,20.13 38.87,20.22 38.87,20.88 38.92,20.97 39.02,20.97 39.71,20.83 40.31,21.16
GND on VCC (solid shape): 40.43,41.52 40.49,41.42 40.49,40.32 40.43,40.22 40.32,40.25 39.71,40.59 39.02,40.45 38.92,40.45 38.87,40.54 38.87,41.2 38.92,41.29 39.02,41.29 39.71,41.15 40.32,41.49

Small or netless copper shapes (teardrops, artwork), in the pictures only: 3 on TOP, 4 on BOTTOM

## Text on the board
